# Altium PCB Com_1.0_v1.1.PcbDoc
Units mil, origin at the board's own origin, x right, y up, seen from the top; angles counter-clockwise.
Board outline 3095 x 2890 mil, 2 copper layers (Top Layer, Bottom Layer); 25 components, 13 nets, 104 pads, 4 vias.
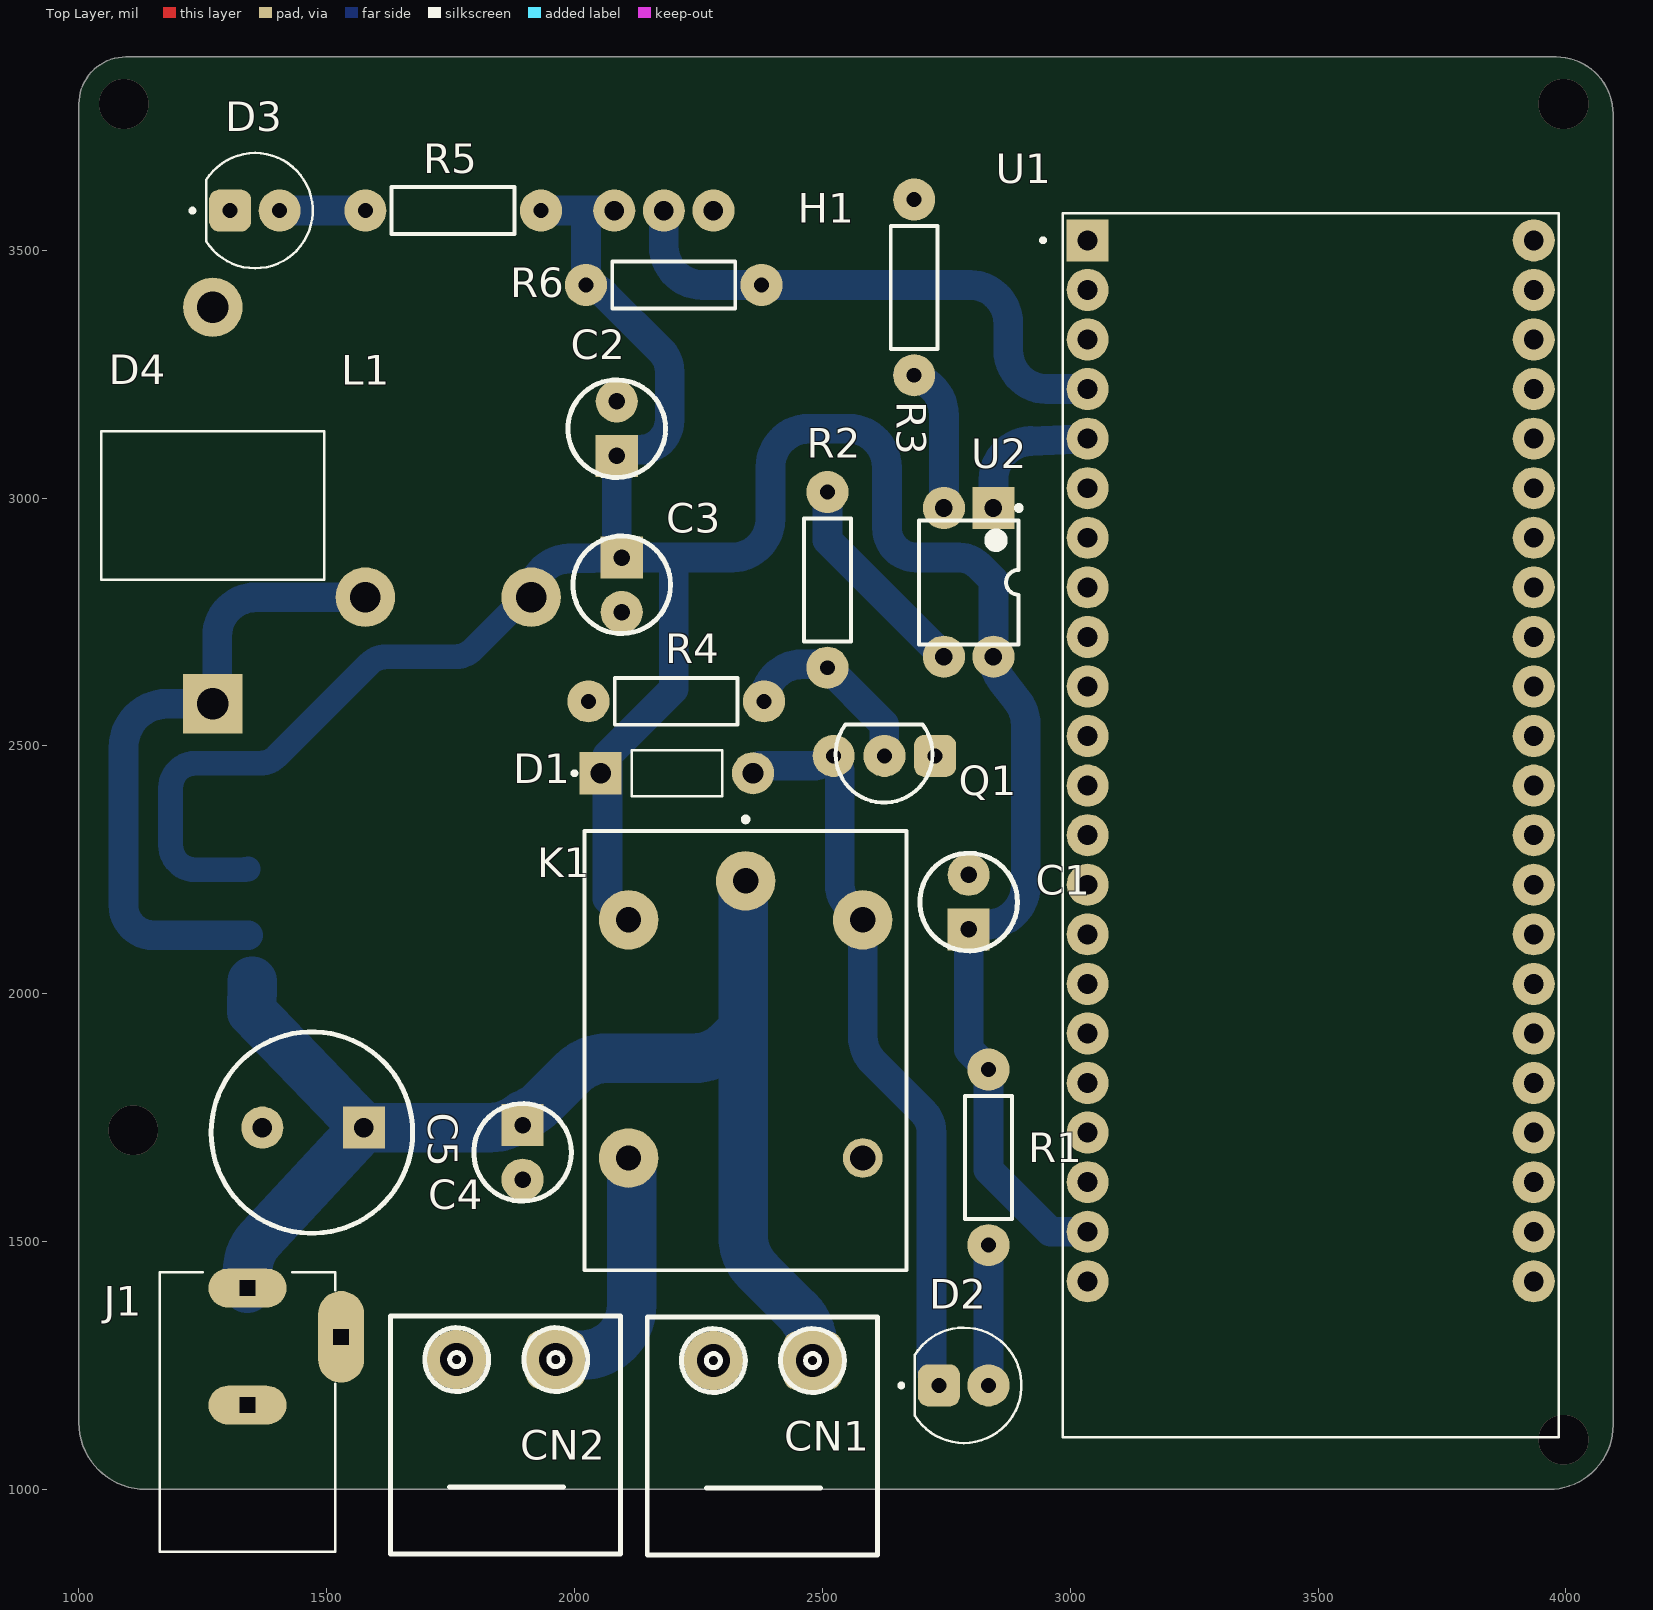
[diagram p0: Top Layer view]
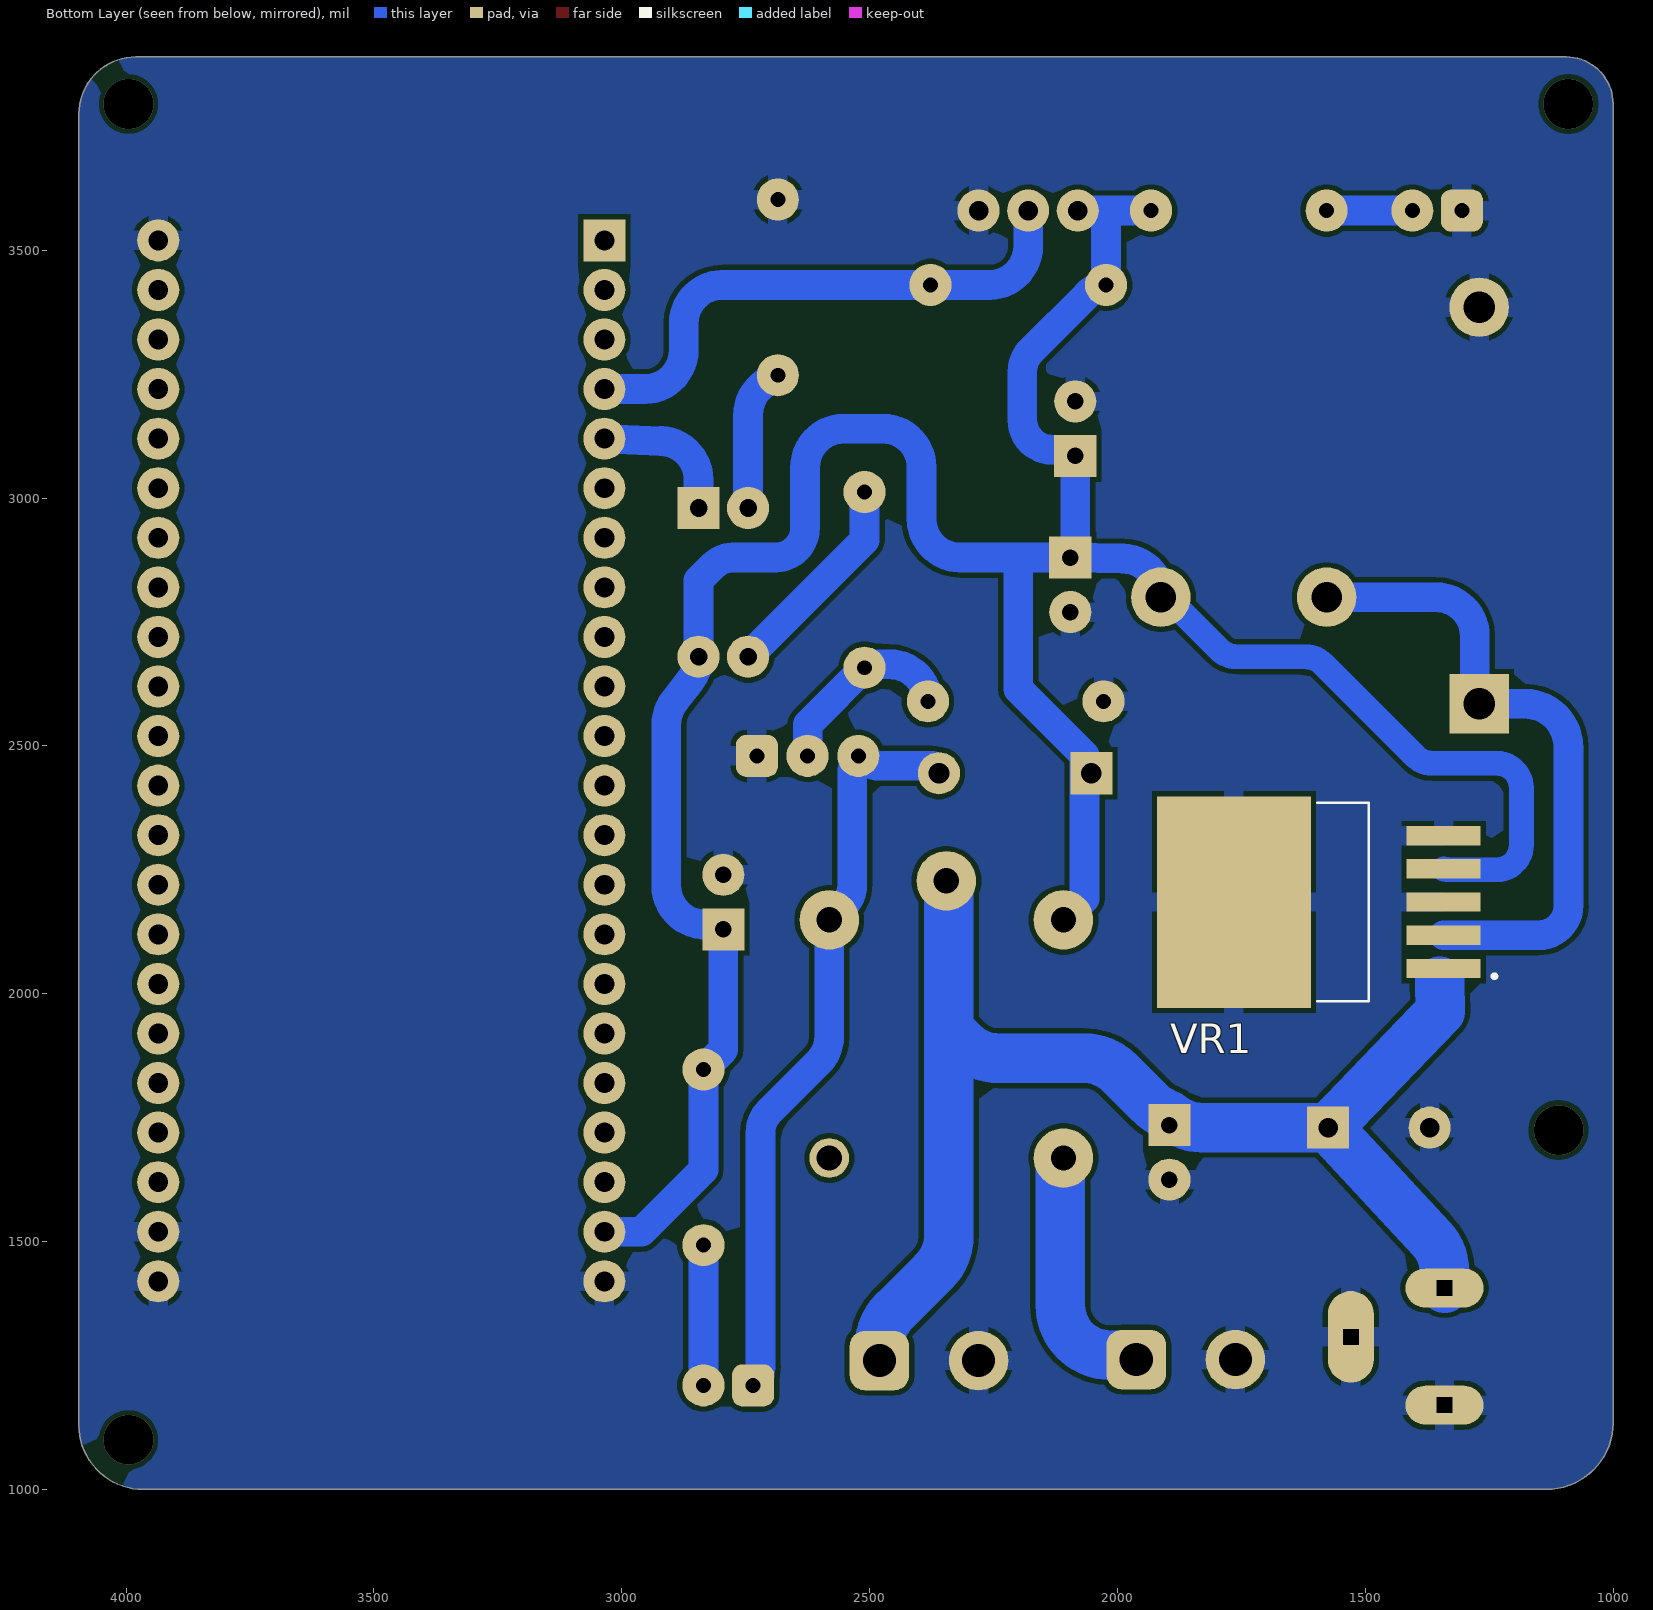
[diagram p1: Bottom Layer view, seen from below]
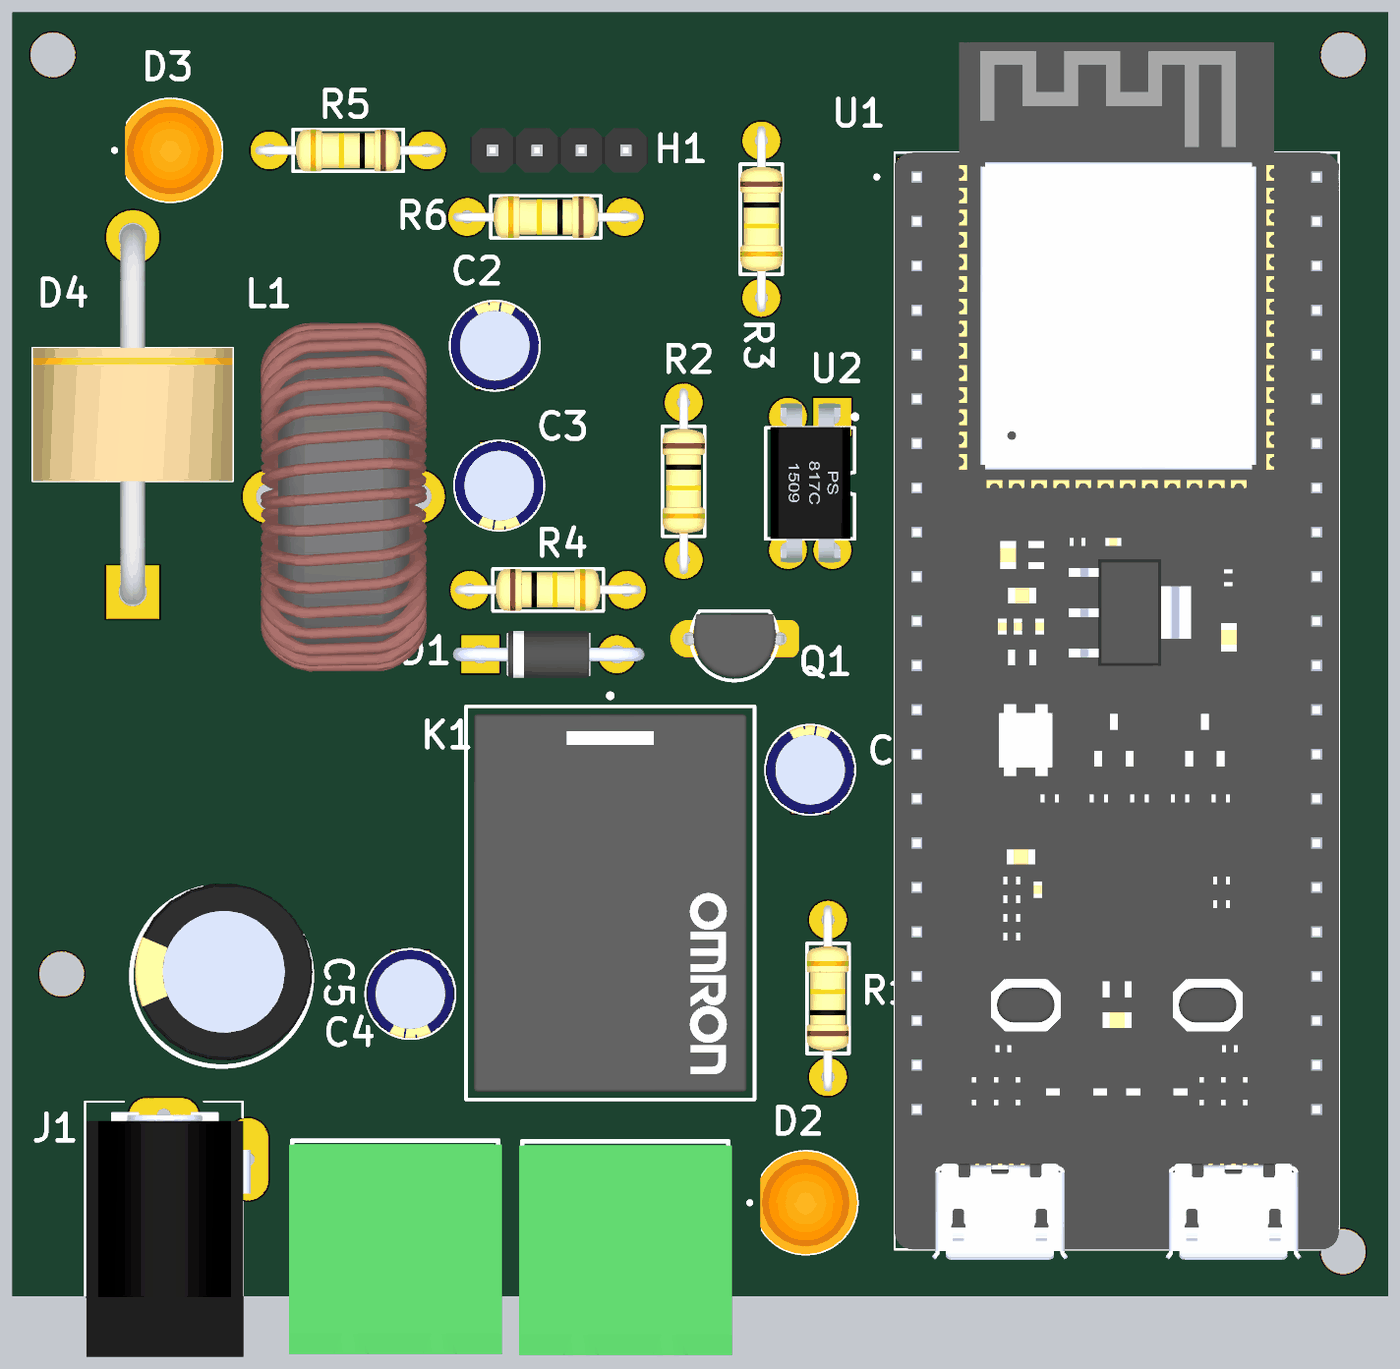
[diagram p2: 3D render of the assembled board from above, using the file's embedded part models]

## Layer stack, top to bottom
Top Solder: solder mask 0.4, Solder Resist, Dk 3.5
Top Layer: signal copper 1.4
Dielectric 1: dielectric 12.6, FR-4, Dk 4.8
Bottom Layer: signal copper 1.4
Bottom Solder: solder mask 0.4, Solder Resist, Dk 3.5

## Board outline
1135,1000 3965,1000 ccw(c3965,1130) 4095,1130 4095,3775 ccw(c3980,3775) 3980,3890 1095,3890 ccw(c1095,3795) 1000,3795 1000,1135 ccw(c1135,1135)

## Design rules (kind name [scope] priority, off if disabled: settings)
Clearance Clearance_1 [InNamedPolygon('CND_1')] p1: gap=10 ignorepadtopadclearanceinfootprint=FALSE
Clearance [All] p2: gap=10 ignorepadtopadclearanceinfootprint=FALSE
PolygonConnect PolygonConnect_3 [All vs IsNamedPolygon('CND_1')] p1: connectstyle=Relief reliefconductorwidth=40 reliefentries=4 polygonreliefangle="90 Angle" airgapwidth=10
PolygonConnect PolygonConnect_2 [All vs IsNamedPolygon('CND_1')] p2: thpad.connectstyle=Relief thpad.reliefconductorwidth=10 thpad.reliefentries=4 thpad.polygonreliefangle="90 Angle" thpad.airgapwidth=10 smdpad.connectstyle=Relief smdpad.reliefconductorwidth=10 smdpad.reliefentries=4 smdpad.polygonreliefangle="90 Angle" smdpad.airgapwidth=10 via.connectstyle=Relief via.reliefconductorwidth=40 via.reliefentries=4 via.polygonreliefangle="90 Angle" via.airgapwidth=10
PolygonConnect GND_1 [All vs IsNamedPolygon('CND_1')] p3: thpad.connectstyle=Relief thpad.reliefconductorwidth=40 thpad.reliefentries=4 thpad.polygonreliefangle="90 Angle" thpad.airgapwidth=10 smdpad.connectstyle=Relief smdpad.reliefconductorwidth=10 smdpad.reliefentries=4 smdpad.polygonreliefangle="90 Angle" smdpad.airgapwidth=10 via.connectstyle=Relief via.reliefconductorwidth=40 via.reliefentries=4 via.polygonreliefangle="90 Angle" via.airgapwidth=10
PolygonConnect PolygonConnect_1 [All vs IsNamedPolygon('CND_1')] p4: thpad.connectstyle=Relief thpad.reliefconductorwidth=40 thpad.reliefentries=4 thpad.polygonreliefangle="90 Angle" thpad.airgapwidth=10 smdpad.connectstyle=Relief smdpad.reliefconductorwidth=10 smdpad.reliefentries=4 smdpad.polygonreliefangle="90 Angle" smdpad.airgapwidth=10 via.connectstyle=Relief via.reliefconductorwidth=10 via.reliefentries=4 via.polygonreliefangle="90 Angle" via.airgapwidth=10
PolygonConnect [All] p5: connectstyle=Relief reliefconductorwidth=10 reliefentries=4 polygonreliefangle="90 Angle" airgapwidth=10
RoutingVias [All] p1: holewidth=28 width=50 viastyle="Through Hole" minholewidth=28 minwidth=50 maxholewidth=28 maxwidth=50
SolderMaskExpansion [All] p1: expansion=4 istentingtop=FALSE
SupplyNets "Schematic Supply Nets_3" [InNet('+12')] p1: voltage=0.000
SupplyNets "Schematic Supply Nets_1" [InNet('+5')] p2: voltage=0.000
SupplyNets "Schematic Supply Nets" [InNet('GND')] p3: voltage=0.000
Width [All] p1: maxlimit=150 minlimit=30 preferedwidth=78 minimp=50.000000 maximp=50.000000 favimp=50.000000
30 further rules are at their usual default settings.

## Components (designator, comment, footprint, x,y, rotation, side; value= is the part's Value field where it differs from the comment)
C1 "100uF 16V" "100uF  16V" 2795,2185 r90 top
C2 "100uF 16V" "100uF  16V" 2085,3140 r90 top
C3 "0.1uF 16V" "0.1uF 16V" 2095,2825 r270 top
C4 "680uF 25V" "680uF 25V" 1470,1720 r180 top
C5 "10uF 25V" "10 uF 25V" 1895,1680 r270 top
CN1 "WJ2EDGRC-5.08-2P" "Terminal Block P5.08-2P" 2378,1103 r0 top
CN2 "WJ2EDGRC-5.08-2P" "Terminal Block P5.08-2P" 1860,1105 r0 top
D1 "1N4007-T" DIOAD780W78L463D236 2206.28,2445 r0 top
D2 "L08R5000Q1" LEDRD254W57D500H1070 2785,1210 r0 top
D3 "L08R5000Q1" LEDRD254W57D500H1070 1355,3580 r0 top
D4 "1N5824" DIOAD1898W129L762D1143 1270,2985 r90 top
H1 "Header 1x3" "Header 1x3 male" 2180,3580 r0 top
J1 "DC-005" NINIGI_DC-005 1340,1307.8 r90 top
K1 "G5LE-14-DC5" FP-G5LE-14-DC5-MFG 2345,1885.2 r270 top
L1 "33uF" "33uF TH  Radial" 1745,2800 r0 top
Q1 "2N2222" FP-JAN2N2222A-MFG 2625,2465 r270 top
R1 "330" RESA60-630X240 2835,1670 r270 top
R2 "1k" RESA60-630X240 2510,2835 r90 top
R3 "1k" RESA60-630X240 2685,3425 r90 top
R4 "10k" RESA60-630X240 2205,2590 r180 top
R5 "330" RESA60-630X240 1755,3580 r0 top
R6 "4.7k" RESA60-630X240 2200,3430 r0 top
U1 "ESP32-S3-DEVKITC-1-N16R8" XCVR_ESP32-S3-DEVKITC-1-N8R2 3485,2340 r0 top
U2 "PC817" LTST-LTV-817-4 2795,2830 r270 top
VR1 "LM2596S-5.0_1" TO170P1524X483-6N 1593.74,2185 r0 bottom

## Footprints (in the part's own frame and the unit in brackets; to place one, negate y for a bottom-side part, rotate by r counter-clockwise, add the part's x,y. Pads: shape width x height; smd on the part's side, far side on the other; paste and mask are expansions set on the pad)
"0.1uF 16V" [mil] "0.1uF 16V"
  round 85 hole 33.46: N(55,0)
  rect 85x85 hole 33.46: P(-55,0)
  silkscreen extent -98,-98 98,98, body extent -110,-100 110,100, height 461
"10 uF 25V" [mil] "10 uF 25V"
  round 85 hole 33.46: N(55,0)
  rect 85x85 hole 33.46: P(-55,0)
  silkscreen extent -98,-98 98,98, body extent -110,-100 110,100, height 461
"33uF TH  Radial" [mil]
  round 120 hole 61.02: 1(-167.32,0) 2(167.32,0)
  body extent -187,-394 187,391, height 844
"100uF  16V" [mil] "100uF  16V"
  round 85 hole 33.46: N(55,0)
  rect 85x85 hole 33.46: P(-55,0)
  silkscreen extent -98,-98 98,98, body extent -110,-100 110,100, height 461
"680uF 25V" [mil] "680uF 25V"
  round 85 hole 39.37: N(100,-10)
  rect 85x85 hole 39.37: P(-105,-10)
  silkscreen extent -203,-203 203,203, body extent -205,-210 195,190, height 800
DIOAD780W78L463D236 [mil]
  round 85 hole 41.73: A(153.72,0)
  rect 85x85 hole 41.73: K(-153.72,0)
  silkscreen extent -211,-46 91,46, body extent -216,-53 216,53, height 106
DIOAD1898W129L762D1143 [mil]
  round 120 hole 63.78: A(400,0)
  rect 120x120 hole 63.78: C(-400,0)
  silkscreen extent -150,-225 150,225, body extent -428,-225 428,225, height 450
FP-G5LE-14-DC5-MFG [mm]
  round 3.048 hole 1.3 paste-2539.97 mask+0: 1(-8.7,0) 2(-6.7,-6) 3(5.5,-6) 5(-6.7,6)
  round 2.032 hole 1.3 paste-2539.97 mask+0: 4(5.5,6)
  silkscreen extent -11.97,-8.25 11.25,8.25, body extent -11.35,-8.35 11.35,8.35, height 0.25
FP-JAN2N2222A-MFG [mil]
  rrect50% 85x85 hole 30 paste-99999 mask+0: 1(-14.96,102.36)
  round 85 hole 30 paste-99999 mask+0: 2(-14.96,0) 3(-14.96,-102.36)
  silkscreen extent -78,-99 79,97, body extent -86,-135 86,135, height 10
"Header 1x3 male" [mil]
  round 85 hole 39.37: 1(-100,0) 2(0,0) 3(100,0)
  body extent -150,-50 250,50, height 339
LEDRD254W57D500H1070 [mil]
  round 85 hole 30: A(50,0)
  rrect50% 85x85 hole 30: C(-50,0)
  silkscreen extent -130,-116 116,116, body extent -102,-116 116,116, height 358
LTST-LTV-817-4 [mil] "DIP, 4-Leads, Body 7x5.1mm, Pitch 2.54mm"
  rect 85x85 hole 35.43: 1(-150,50)
  round 85 hole 35.43: 2(-150,-50) 3(150,-50) 4(150,50)
  silkscreen extent -155,-100 125,106, body extent -196,-90 194,91, height 164
NINIGI_DC-005 [mm]
  oval 4.7x2.35 hole 0.8 square: 2(0,-4.8)
  oval 2x4 hole 0.8 square: 3(-3.5,0) 4(2.5,0)
  silkscreen extent -11,-4.5 3.3,4.5, body extent -11.3,-4.95 2.7,4.45, height 10.83
RESA60-630X240 [mil] "Axial Resistor, 2-Leads, Dia 2.4mm, Body Length 6.3mm"
  round 85 hole 30: 1(-177.17,0) 2(177.17,0)
  silkscreen extent -124,-47 124,47, body extent -210,-48 210,47, height 97
"Terminal Block P5.08-2P" [mil]
  round 120 hole 66.93 paste-99999 mask+2: 1(-98,157)
  rrect50% 120x120 hole 66.93 paste-99999 mask+2: 2(102,157)
  silkscreen extent -231,-235 233,245, body extent -238,-236 241,236, height 335
TO170P1524X483-6N [mm]
  rect 3.79x0.99 smd: 1(-6.4,3.4) 2(-6.4,1.7) 3(-6.4,0) 4(-6.4,-1.7) 5(-6.4,-3.4)
  rect 7.88x10.84 smd paste-6: 6(4.35,0)
  silkscreen extent -9.1,-5.08 0.09,5.08, body extent -7.18,-5.08 7.18,5.08, height 4.65
XCVR_ESP32-S3-DEVKITC-1-N8R2 [mil]
  rect 85x85 hole 40.16: J1_1(-450,1179.92)
  round 85 hole 40.16: J1_2(-450,1079.92) J1_3(-450,979.92) J1_4(-450,879.92) J1_5(-450,779.92) J1_6(-450,679.92) J1_7(-450,579.92) J1_8(-450,479.92) J1_9(-450,379.92) J1_10(-450,279.92) J1_11(-450,179.92) J1_12(-450,79.92) J1_13(-450,-20.08) J1_14(-450,-120.08) J1_15(-450,-220.08) J1_16(-450,-320.08) J1_17(-450,-420.08) J1_18(-450,-520.08) J1_19(-450,-620.08) J1_20(-450,-720.08) J1_21(-450,-820.08) J1_22(-450,-920.08) J3_1(450,1179.92) J3_2(450,1079.92) J3_3(450,979.92) J3_4(450,879.92) J3_5(450,779.92) J3_6(450,679.92) J3_7(450,579.92) J3_8(450,479.92) J3_9(450,379.92) J3_10(450,279.92) J3_11(450,179.92) J3_12(450,79.92) J3_13(450,-20.08) J3_14(450,-120.08) J3_15(450,-220.08) J3_16(450,-320.08) J3_17(450,-420.08) J3_18(450,-520.08) J3_19(450,-620.08) J3_20(450,-720.08) J3_21(450,-820.08) J3_22(450,-920.08)
  silkscreen extent -544,-1235 500,1235, body extent -500,-1258 500,1483, height 291

## Part data
C1 C2: "CAP ALUM 100uF 16V RADIAL TH", Package="RADIAL-2 Panasonic", Availability="In Stock", Check_prices=https://www.snapeda.com/parts/EEU-FR1E221B/Panasonic/view-part/?ref=eda, MF="Panasonic Electronic Components", MP=EEU-FR1E221B, Price=None, Purchase-URL=https://pricing.snapeda.com/search/part/EEU-FR1E221B/?ref=eda, SnapEDA_Link=https://www.snapeda.com/parts/EEU-FR1E221B/Panasonic/view-part/?ref=snap
C3: "Cap 0.1uF 16VRADIAL TH", Package="RADIAL-2 Panasonic", Availability="In Stock", Check_prices=https://www.snapeda.com/parts/EEU-FR1E221B/Panasonic/view-part/?ref=eda, MF="Panasonic Electronic Components", MP=EEU-FR1E221B, Price=None, Purchase-URL=https://pricing.snapeda.com/search/part/EEU-FR1E221B/?ref=eda, SnapEDA_Link=https://www.snapeda.com/parts/EEU-FR1E221B/Panasonic/view-part/?ref=snap
C4: "Cap 680uF 25V RADIAL TH", Package="RADIAL-2 Panasonic", Availability="In Stock", Check_prices=https://www.snapeda.com/parts/EEU-FR1E221B/Panasonic/view-part/?ref=eda, MF="Panasonic Electronic Components", MP=EEU-FR1E221B, Price=None, Purchase-URL=https://pricing.snapeda.com/search/part/EEU-FR1E221B/?ref=eda, SnapEDA_Link=https://www.snapeda.com/parts/EEU-FR1E221B/Panasonic/view-part/?ref=snap
C5: "Cap 10uF 25V RADIAL TH", Package="RADIAL-2 Panasonic", Availability="In Stock", Check_prices=https://www.snapeda.com/parts/EEU-FR1E221B/Panasonic/view-part/?ref=eda, MF="Panasonic Electronic Components", MP=EEU-FR1E221B, Price=None, Purchase-URL=https://pricing.snapeda.com/search/part/EEU-FR1E221B/?ref=eda, SnapEDA_Link=https://www.snapeda.com/parts/EEU-FR1E221B/Panasonic/view-part/?ref=snap
CN1 CN2: Color=Green, JLCPCB Part Class="Extended Part", LCSC Part Name="5.08mm 1x2P 排数:1 每排P数:2", Manufacturer=KANGNEX(康奈克斯电气), Add into BOM=yes, Connector Type=板端/Receptacle-Close, Convert to PCB=yes, Datasheet=https://atta.szlcsc.com/upload/public/pdf/source/20191225/C3697_6E7B45CD3FD3DA2CDF6A2CE707235E10.pdf, Device=WJ2EDGRC-5.08-2P, Manufacturer Part=WJ2EDGRC-5.08-2P, Mounting Style=Bend, Number of Pins=2P, Number of PINs Per Row=2, Number of Rows=1, Pitch=5.08mm, Structure=1x2P, Supplier=LCSC, Supplier Footprint=弯插,P=5.08mm, Supplier Part=C3697, Symbol=WJ2EDGRC-5.08-2P
D1: "Diode Standard 1A 1000V 1Vf DO41", Package="DO-41 Diodes Inc.", Check_prices=https://www.snapeda.com/parts/1N4007-T/Diodes+Inc./view-part/?ref=eda, MF="Diodes Incorporated", MP=1N4007-T, SnapEDA_Link=https://www.snapeda.com/parts/1N4007-T/Diodes+Inc./view-part/?ref=snap
D2 D3: "LED, 5MM, ORANGE; LED / Lamp Size: 5mm / T-1 3/4; LED Colour: Orange; Typ Luminous Intensity: 4.3mcd; Viewing Angle: ...", Package=None, Availability="In Stock", Check_prices=https://www.snapeda.com/parts/L08R5000Q1/LED+Technology/view-part/?ref=eda, MF="LED Technology", MP=L08R5000Q1, Price=None, SnapEDA_Link=https://www.snapeda.com/parts/L08R5000Q1/LED+Technology/view-part/?ref=snap
D4: "Diode Schottky 30V 5A Through Hole Axial", Package="Axial Microsemi", Availability=Unavailable, MF="Microsemi Corporation", MP=1N5824, Price=None, SnapEDA_Link=https://www.snapeda.com/parts/1N5824/Microsemi%20Corporation/view-part/49055/?ref=snap
J1: "DC Jack", Package=None, Availability=Unavailable, MP=DC-005, Price=None
K1: library part CMP-08822-000008-1, "RELAY GEN PURPOSE SPDT 10A 5V", Ambient Temperature Range High=+85°C, Ambient Temperature Range Low=-25°C, Coil Current=79.4mA, Coil Power=400mW, Coil Resistance=63Ω, Coil Voltage=5V, Current Rating=10A, Manufacturer=Omron, Package=0, Temperature="-25°C to +85°C", Automotive=No, Category=Relay, Coil Type=Non-Latching, ComponentLink2Description=Datasheet, ComponentLink2URL=https://omronfs.omron.com/en_US/ecb/products/pdf/en-g5le.pdf, Device Class L1=Electromechanical, Device Class L2=Relays, Device Class L3="Power Relays", Digikey Description="RELAY GEN PURPOSE SPDT 10A 5V", Height=19mm, Lead Free=Yes, Manufacturer Part Number=G5LE-14-DC5, Mouser Description="General Purpose Relays Power PCB Relay SPDT Sealed 5VDC", Number Of Contacts=1, Octopart=https://octopart.com/g5le-14-dc5-omron-28829, RoHS=TRUE, Standoff Height=0.5mm, Switching Current=10A, Temperature Range High=+85°C, Temperature Range Low=-25°C, Throw Configuration=SPDT
L1: library part HCTI-33-11.7, "Inductor", Package="Radial Bel Fuse", Arrow_Electronics-Purchase-URL=https://snapeda.com/shop?store=Arrow+Electronics&id=1645904, Availability=Bad, MF="Signal Transformer", Mouser-Purchase-URL=https://snapeda.com/shop?store=Mouser&id=1645904, MP=HCTI-33-11.7, Price=None, SnapEDA_Link=https://www.snapeda.com/parts/HCTI-33-11.7/Signal%20Transformer/view-part/1645904/?ref=snap
Q1: library part CMP-06366-000013-1, "TRANS NPN 50V 0.8A TO218"
R1 R2 R3 R4 R5: library part CMP-1659-00075-1, "Axial Resistor,", Case\Package=Axial, Max Operating Temperature="155 degC", Min Operating Temperature="-55 degC", Package Quantity=200, Power Rating="250 mW", Resistance="1 kohm", Tolerance=1%, Voltage Rating="250 V", ComponentLink1Description="Manufacturer URL", ComponentLink1URL=http://www.yageo.com/, ComponentLink2Description=Datasheet, ComponentLink2URL=http://www.yageo.com/documents/recent/Yageo%20LR_MFR_2013.pdf, DatasheetVersion=Apr-13, Length="0.248 inch", PackageDescription="2-Pin Axial Lead, Dia 2.4 mm, Body Length 6.3 mm", PackageReference=MFR-25, Packaging=Bulk, RoHSCompliant=true
R6: library part CMP-1659-00075-1_1, "Axial Resistor,", Case\Package=Axial, Max Operating Temperature="155 degC", Min Operating Temperature="-55 degC", Package Quantity=200, Power Rating="250 mW", Resistance="1 kohm", Tolerance=1%, Voltage Rating="250 V", ComponentLink1Description="Manufacturer URL", ComponentLink1URL=http://www.yageo.com/, ComponentLink2Description=Datasheet, ComponentLink2URL=http://www.yageo.com/documents/recent/Yageo%20LR_MFR_2013.pdf, DatasheetVersion=Apr-13, Length="0.248 inch", PackageDescription="2-Pin Axial Lead, Dia 2.4 mm, Body Length 6.3 mm", PackageReference=MFR-25, Packaging=Bulk, RoHSCompliant=true
U1: library part ESP32-S3-DEVKITC-1-N8R2, "WiFi Development Tools - 802.11 (Engineering Samples Only) ESP32-S3 General-Purpose Development Board, ESP32-S3-WROOM-1-N8R2, with Pin Header", Package=None, Check_prices=https://www.snapeda.com/parts/ESP32-S3-DEVKITC-1-N8R2/Espressif+Systems/view-part/?ref=eda, MF="Espressif Systems", MP=ESP32-S3-DEVKITC-1-N8R2, SnapEDA_Link=https://www.snapeda.com/parts/ESP32-S3-DEVKITC-1-N8R2/Espressif+Systems/view-part/?ref=snap
U2: library part CMP-2000-06632-1, "Photocoupuler, 50 mA Forward Current, 1.2 V Forward Voltage, -50 to 110 degC, 4-Pin DIP, RoHS, Tube", Manufacturer=Lite-On, Maximum Collector Current=50mA, Maximum Collector Emitter Saturation Voltage=200mV, Maximum Collector Emitter Voltage=35V, Maximum Current Transfer Ratio=600%, Maximum Forward Voltage=1.4V, Maximum Operating Temperature=100C, Maximum Power Dissipation=200mW, Maximum Reverse Voltage=6V, Minimum Current Transfer Ratio=50%, Minimum Isolation Voltage=5000Vrms, Minimum Operating Temperature=-30C, Package Description="4-Pin Double In-line Package, Body 6.5 x 4.6 mm, Pitch 2.54 mm", Package Reference=LTV-817, Supplier_Package=PDIP, Typical Forward Voltage=1.2V, Datasheet URL=http://optoelectronics.liteon.com/upload/download/DS70-2012-0050/S_110_LTV-8X7%20series%200915.pdf, Datasheet Version="Rev. E, 10/2015", Family=LTV817, Input Type=DC, Manufacturer URL=http://www.us.liteon.com/, Maximum Fall Time=18us, Maximum Input Current=50mA, Maximum Rise Time=18us, Mounting=ThroughHole, Mounting Technology=ThroughHole, Number of Channels per Chip=1, Output Device=Transistor, Output Type=DC, Pin_Count=4, Product Height=3.5mm, Product Length=4.6mm, Product Type=TransistorandPhotovoltaicOutputPhotoCouplers, Product Width=6.5mm, Typical Fall Time=3us, Typical Rise Time=4us
VR1: "SIMPLE SWITCHER&reg; 4.5V to 40V, 3A Low Component Count Step-Down Regulator", Package="TO-263-5 Texas Instruments", Availability="In Stock", Check_prices=https://www.snapeda.com/parts/LM2596S-5.0/NOPB/Texas+Instruments/view-part/?ref=eda, MF="Texas Instruments", MP=LM2596S-5.0/NOPB, Price=None, Purchase-URL=https://pricing.snapeda.com/search/part/LM2596S-5.0/NOPB/?ref=eda, SnapEDA_Link=https://www.snapeda.com/parts/LM2596S-5.0/NOPB/Texas+Instruments/view-part/?ref=snap

## Via types
v1: diameter 100, hole 100, Top Layer to Bottom Layer, 4 vias

## Nets (pads, with @x,y where several pads share a name; then routed paths per layer and width w, separated by ;. In a path a pad name is that pad's centre, name@x,y a point inside that pad or via, vN(x,y) a via of type N, cw(c..) or ccw(c..) an arc to the next point about the centre after c; other vN are vias at no path point)
+5: C1.P C2.P C3.P D1.K H1.1 K1.2 L1.2 R1.1 R5.2 R6.1 U1.J1_21 U2.4 VR1.4 | length 5933
  Bottom Layer w50: VR1.4 cw(c1328.02,2300) 1328.12,2250 1234.93,2250 cw(c1235,2300) 1185,2300 1185,2415 cw(c1235,2415) 1235,2465 1364.29,2465 ccw(c1364.29,2515) 1399.64,2479.64 1585.36,2665.36 cw(c1620.71,2630) 1620.71,2680 1759.29,2680 ccw(c1759.29,2730) 1794.64,2694.64 1900,2800 L1.2
  Bottom Layer w60: L1.2 cw(c1990.32,2800) 1988.83,2877.99 C3.P@2093.51,2879.99 ; R5.2 2030,3580 ; H1.1 2030,3580 ; C3.P@2085,2890 C2.P 2097.5,3097.5 2131.7,3097.5 ccw(c2131.7,3157.5) 2191.7,3157.44 2191.7,3254.98 ccw(c2131.7,3254.98) 2174.16,3297.36 2060.52,3411.01 ccw(c2018.09,3368.58) 2036.14,3425.8 R6.1 2022.83,3572.83 2030,3580 ; C3.P 2200,2880 ; K1.2 2066.28,2191.48 2066.28,2481.28 2200,2615 2200,2880 ; U1.J1_21 2960.08,1519.92 2920.06,1559.94 2835,1645 R1.1 2795,1887.17 C1.P 2848.75,2141.82 ccw(c2832,2218) 2910,2218 2910,2542.69 ccw(c2832,2542.69) 2893.69,2590.43 2861.31,2632.26 cw(c2923,2680) U2.4 2845,2834.31 2816.88,2862.43 ccw(c2774.46,2820) 2774.46,2880 2690,2880 cw(c2690,2940) 2630,2940 2630,3062 ccw(c2552,3062) 2552,3140 2473,3140 ccw(c2473,3062) 2395,3062 2395,2958 cw(c2317,2958) 2317,2880 2200,2880
  Bottom Layer w78: C3.P@2085,2890 C3.P ccw(c2095,2802) C3.P@2093.51,2879.99 ; K1.2@2108.78,2148.78 K1.2
+12: C4.P C5.P CN1.2 J1.4 K1.1 VR1.1 | length 2649.8
  Bottom Layer w100: J1.4 1340,1438.58 cw(c1440,1438.58) 1366.72,1506.62 C4.P@1574.54,1730.43 ; 1350,2025 1348.82,1963.87 1544.36,1760.66 ccw(c1616.42,1830) 1545.71,1759.29 1573.12,1731.88 cw(c1502.33,1661.25) C4.P@1574.54,1730.43 ; K1.1@2345,2227.52 2340,2222.52 2340,1928.58 ; CN1.2 2480,1288.58 ccw(c2380,1288.58) 2450.83,1359.17 2369.23,1440.77 cw(c2440,1511.42) 2340,1511.42 2340,1899.29 2340,1928.58 ; C4.P@1574.56,1730.44 C4.P 1829,1730 ccw(c1828.86,1830) 1895,1755 ccw(c1863.48,1849.9) 1934.13,1779.13 1995.8,1840.8 cw(c2066.42,1770) 2066.42,1870 2240,1870 ccw(c2240,1970) 2310.71,1899.29 2340,1928.58
GND: C1.N C2.N C3.N C4.N C5.N CN1.1 CN2.1 D3.C D4.A H1.3 J1.2 J1.3 Q1.1 R3.2 R4.2 U1.J1_22 U1.J3_1 U1.J3_21 U1.J3_22 VR1.3 VR1.5 VR1.6
heater: CN2.2 K1.3 | length 505
  Bottom Layer w100: CN2.2 1971.06,1271.06 2015,1271.06 ccw(c2015,1371.06) 2115,1371.06 K1.3@2115,1662.24
NetD1_A: D1.A D2.C K1.5 Q1.3 | length 1501.3
  Bottom Layer w60: D1.A@2373.72,2460 2477.82,2460 ccw(c2477.82,2520) 2520.23,2477.55 Q1.3 2522.68,2479.91 cw(c2475,2443.48) 2535,2443.48 2535,2220.05 ccw(c2595,2220.05) 2552.55,2177.65 K1.5 ; K1.5@2581.22,2148.78 K1.5 ; D2.C 2722.5,1222.5 2720.32,1243.49 cw(c2780,1249.69) 2720,1249.58 2720,1720.15 ccw(c2660,1720.15) 2702.43,1762.57 2602.56,1862.44 cw(c2654.48,1914.12) 2581.22,1914 K1.5
  Bottom Layer w78: K1.5@2581.22,2148.78 K1.5
NetD2_A: D2.A R1.2 | length 282.8
  Bottom Layer w60: D2.A R1.2
NetD3_A: D3.A R5.1 | length 172.8
  Bottom Layer w60: D3.A R5.1
NetD4_C: D4.C L1.1 VR1.2 | length 1306.4
  Bottom Layer w60: D4.C 1178,2585 ccw(c1178,2497) 1090,2497 1090,2178.07 ccw(c1150,2178.07) 1150,2118.07 VR1.2 ; D4.C@1278.83,2593.83 1278.83,2721.53 cw(c1356.83,2721.53) 1301.62,2776.62 1302.21,2777.21 cw(c1357.31,2722) 1357.31,2800 L1.1
NetQ1_2: Q1.2 R2.1 R4.1 | length 397.9
  Bottom Layer w60: R4.1 cw(c2460.11,2587) 2460.11,2665 2502.83,2665 2624.62,2543.22 Q1.2@2624.62,2480.34
  Bottom Layer w78: Q1.2@2624.62,2480.34 Q1.2
NetR2_2: R2.2 U2.3 | length 429.5
  Bottom Layer w60: R2.2 2510,2915 U2.3
NetR3_1: R3.1 U2.2 | length 300
  Bottom Layer w60: R3.1@2677.25,3244.99 cw(c2667,3167.67) 2745,3167.77 U2.2
  Bottom Layer w78: R3.1@2682.17,3250 R3.1@2682.25,3249.99
relay: U1.J1_5 U2.1 | length 291.6
  Bottom Layer w60: U2.1 2845,3037 cw(c2923,3037) 2919.63,3114.93 U1.J1_5
temp_sensor: H1.2 R6.2 U1.J1_4 | length 1114.6
  Bottom Layer w60: H1.2 2180,3508 ccw(c2258,3508) 2258,3430 R6.2 2797,3430 cw(c2797,3352) 2875,3352 2875,3297.92 ccw(c2953,3297.92) 2953,3219.92 U1.J1_4
pads on no net: K1.4 U1.J1_1 U1.J1_2 U1.J1_3 U1.J1_6 U1.J1_7 U1.J1_8 U1.J1_9 U1.J1_10 U1.J1_11 U1.J1_12 U1.J1_13 U1.J1_14 U1.J1_15 U1.J1_16 U1.J1_17 U1.J1_18 U1.J1_19 U1.J1_20 U1.J3_2 U1.J3_3 U1.J3_4 U1.J3_5 U1.J3_6 U1.J3_7 U1.J3_8 U1.J3_9 U1.J3_10 U1.J3_11 U1.J3_12 U1.J3_13 U1.J3_14 U1.J3_15 U1.J3_16 U1.J3_17 U1.J3_18 U1.J3_19 U1.J3_20
copper on no net:
  other v1: 3995,1100 1110,1725 1090,3795 3995,3795

## Polygon pours and split planes (outlines as drawn)
GND on Bottom Layer "CND_1" (solid, remove dead copper, pour order 0): 1135,1000 3965,1000 ccw(c3965,1130) 4095,1130 4095,3775 ccw(c3980,3775) 3980,3890 1095,3890 ccw(c1095,3795) 1000,3795 1000,1135 ccw(c1135,1135)